# Altium PCB BF16_2.PcbDoc (part 1 of 2) (continued)
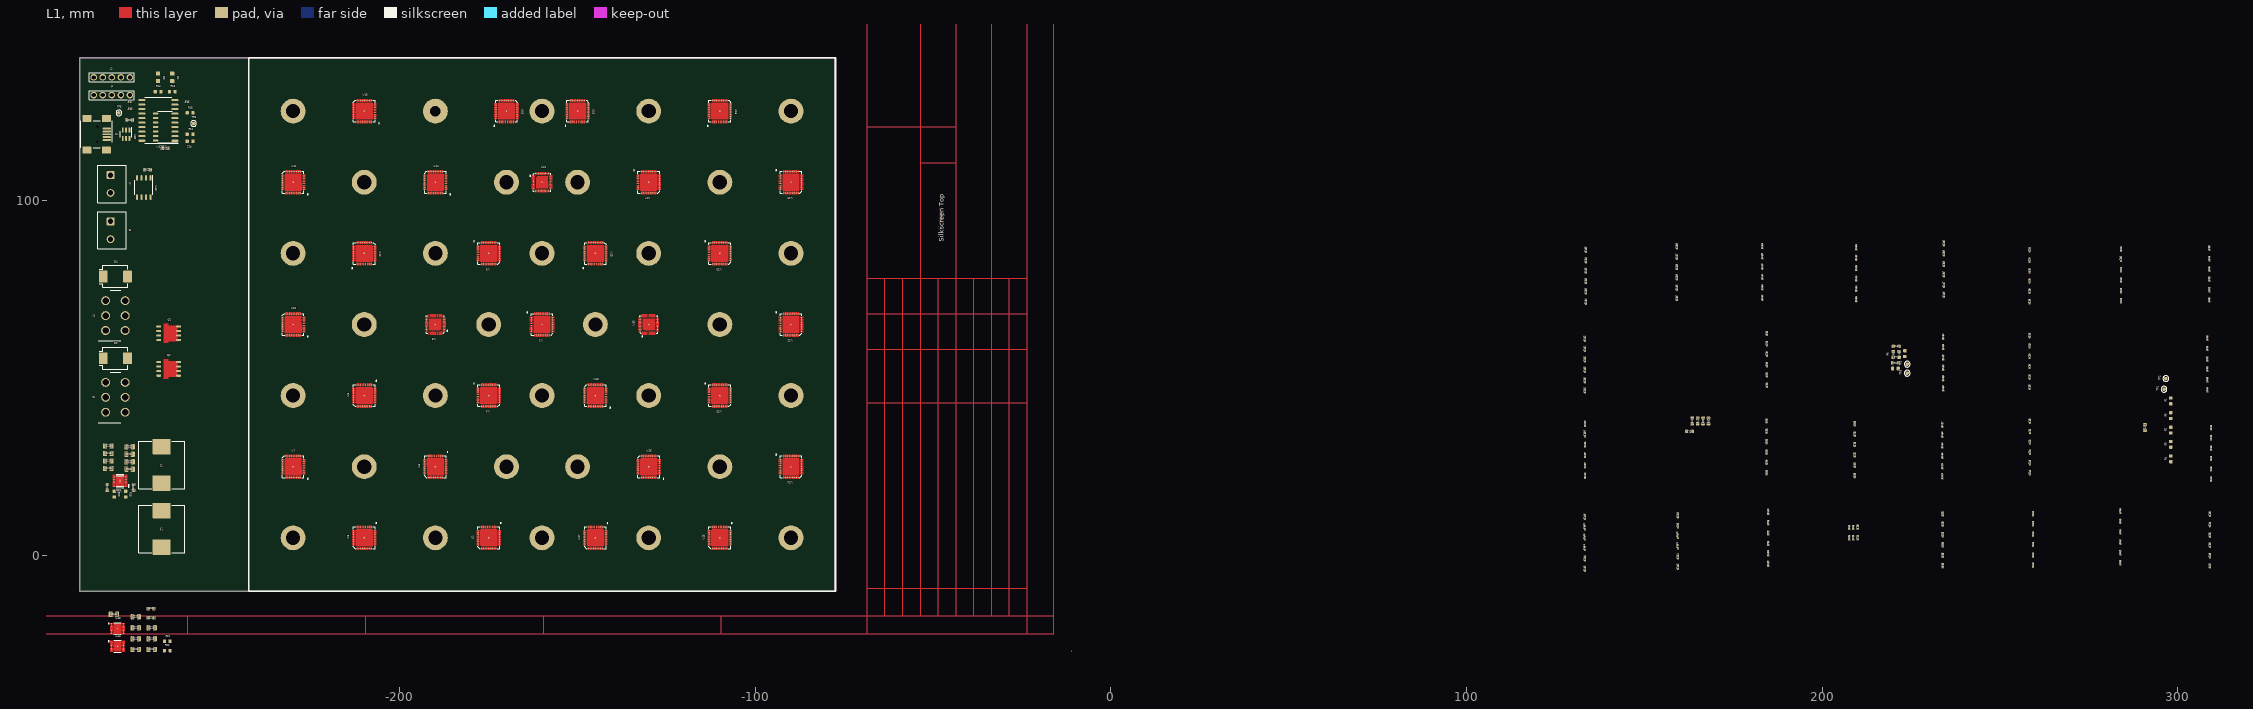
[diagram p0: L1 view]
## Components (designator, comment, footprint, x,y, rotation, side; value= is the part's Value field where it differs from the comment)
C1 "C" SMD_0402_CAPC1005X70N 258.47,34.91 r90 top
C2 "C" SMD_0402_CAPC1005X70N 258.47,31.94 r90 top
C3 "C" SMD_0402_CAPC1005X70N 258.47,29.08 r90 top
C4 "C" SMD_0402_CAPC1005X70N 258.36,59 r90 top
C5 "C" SMD_0402_CAPC1005X70N 258.36,56.03 r90 top
C6 "C" SMD_0402_CAPC1005X70N 258.36,53.17 r90 top
C7 "C" SMD_0402_CAPC1005X70N 258.36,83.09 r90 top
C8 "C" SMD_0402_CAPC1005X70N 258.36,80.12 r90 top
C9 "C" SMD_0402_CAPC1005X70N 258.36,77.26 r90 top
C10 "C" SMD_0402_CAPC1005X70N 284.1,83.31 r90 top
C11 "C" SMD_0402_CAPC1005X70N 284.1,80.34 r90 top
C12 "C" SMD_0402_CAPC1005X70N 284.1,77.48 r90 top
C13 "C" SMD_0402_CAPC1005X70N 258.47,26.11 r90 top
C14 "C" SMD_0402_CAPC1005X70N 258.47,23.25 r90 top
C15 "C" SMD_0402_CAPC1005X70N 258.47,37.77 r90 top
C16 "C" SMD_0402_CAPC1005X70N 258.36,50.2 r90 top
C17 "C" SMD_0402_CAPC1005X70N 258.36,47.34 r90 top
C18 "C" SMD_0402_CAPC1005X70N 258.36,61.86 r90 top
C19 "C" SMD_0402_CAPC1005X70N 258.36,74.29 r90 top
C20 "C" SMD_0402_CAPC1005X70N 258.36,71.43 r90 top
C21 "C" SMD_0402_CAPC1005X70N 258.36,85.95 r90 top
C22 "C" SMD_0402_CAPC1005X70N 284.1,74.51 r90 top
C23 "C" SMD_0402_CAPC1005X70N 284.1,71.65 r90 top
C24 "C" SMD_0402_CAPC1005X70N 284.1,86.17 r90 top
C25 "C" SMD_0402_CAPC1005X70N 308.96,83.53 r90 top
C26 "C" SMD_0402_CAPC1005X70N 308.96,80.56 r90 top
C27 "C" SMD_0402_CAPC1005X70N 308.96,77.7 r90 top
C28 "C" SMD_0402_CAPC1005X70N 308.41,58.23 r90 top
C29 "C" SMD_0402_CAPC1005X70N 308.41,55.26 r90 top
C30 "C" SMD_0402_CAPC1005X70N 308.41,52.4 r90 top
C31 "C" SMD_0402_CAPC1005X70N 309.4,33.15 r90 top
C32 "C" SMD_0402_CAPC1005X70N 309.4,30.18 r90 top
C33 "C" SMD_0402_CAPC1005X70N 309.4,27.32 r90 top
C34 "C" SMD_0402_CAPC1005X70N 309.07,8.73 r90 top
C35 "C" SMD_0402_CAPC1005X70N 309.07,5.76 r90 top
C36 "C" SMD_0402_CAPC1005X70N 309.07,2.9 r90 top
C37 "C" SMD_0402_CAPC1005X70N 308.96,74.73 r90 top
C38 "C" SMD_0402_CAPC1005X70N 308.96,71.87 r90 top
C39 "C" SMD_0402_CAPC1005X70N 308.96,86.39 r90 top
C40 "C" SMD_0402_CAPC1005X70N 308.41,49.43 r90 top
C41 "C" SMD_0402_CAPC1005X70N 308.41,46.57 r90 top
C42 "C" SMD_0402_CAPC1005X70N 308.41,61.09 r90 top
C43 "C" SMD_0402_CAPC1005X70N 309.4,24.35 r90 top
C44 "C" SMD_0402_CAPC1005X70N 309.4,21.49 r90 top
C45 "C" SMD_0402_CAPC1005X70N 309.4,36.01 r90 top
C46 "C" SMD_0402_CAPC1005X70N 309.07,-0.07 r90 top
C47 "C" SMD_0402_CAPC1005X70N 309.07,-2.93 r90 top
C48 "C" SMD_0402_CAPC1005X70N 309.07,11.59 r90 top
C49 "C" SMD_0603_CAPC1608X95N 290.81,36.01 r90 top
C50 "C" SMD_0402_CAPC1005X70N 283.88,9.61 r90 top
C51 "C" SMD_0402_CAPC1005X70N 283.88,6.64 r90 top
C52 "C" SMD_0402_CAPC1005X70N 283.88,3.78 r90 top
C53 "C" SMD_0402_CAPC1005X70N 259.35,8.95 r90 top
C54 "C" SMD_0402_CAPC1005X70N 259.35,5.98 r90 top
C55 "C" SMD_0402_CAPC1005X70N 259.35,3.12 r90 top
C56 "C" SMD_0402_CAPC1005X70N 233.94,8.84 r90 top
C57 "C" SMD_0402_CAPC1005X70N 233.94,5.87 r90 top
C58 "C" SMD_0402_CAPC1005X70N 233.94,3.01 r90 top
C59 "C" SMD_0402_CAPC1005X70N 283.88,0.81 r90 top
C60 "C" SMD_0402_CAPC1005X70N 283.88,-2.05 r90 top
C61 "C" SMD_0402_CAPC1005X70N 283.88,12.47 r90 top
C62 "C" SMD_0402_CAPC1005X70N 259.35,0.15 r90 top
C63 "C" SMD_0402_CAPC1005X70N 259.35,-2.71 r90 top
C64 "C" SMD_0402_CAPC1005X70N 259.35,11.81 r90 top
C65 "C" SMD_0402_CAPC1005X70N 233.94,0.04 r90 top
C66 "C" SMD_0402_CAPC1005X70N 233.94,-2.82 r90 top
C67 "C" SMD_0402_CAPC1005X70N 233.94,11.7 r90 top
C68 "C" SMD_0603_CAPC1608X95N 168.05,37.88 r270 top
C69 "C" SMD_0603_CAPC1608X95N 166.51,37.88 r270 top
C70 "C" SMD_0603_CAPC1608X95N 164.97,37.88 r270 top
C71 "C" SMD_0603_CAPC1608X95N 163.43,37.88 r270 top
C72 "C" SMD_0402_CAPC1005X70N 208.75,5 r90 top
C73 "C" SMD_0402_CAPC1005X70N 210,7.95 r90 top
C74 "C" SMD_0402_CAPC1005X70N 210,5 r90 top
C75 "C" SMD_0402_CAPC1005X70N 209.2,34.15 r90 top
C76 "C" SMD_0402_CAPC1005X70N 209.2,31.25 r90 top
C77 "C" SMD_0402_CAPC1005X70N 209.2,28.3 r90 top
C78 "C" SMD_0402_CAPC1005X70N 184.5,59.55 r90 top
C79 "C" SMD_0402_CAPC1005X70N 184.5,56.65 r90 top
C80 "C" SMD_0402_CAPC1005X70N 184.5,53.7 r90 top
C81 "C" SMD_0402_CAPC1005X70N 184.4,34.95 r90 top
C82 "C" SMD_0402_CAPC1005X70N 184.4,32.05 r90 top
C83 "C" SMD_0402_CAPC1005X70N 184.4,29.1 r90 top
C84 "C" SMD_0402_CAPC1005X70N 207.65,7.9 r90 top
C85 "C" SMD_0402_CAPC1005X70N 207.65,5 r90 top
C86 "C" SMD_0402_CAPC1005X70N 208.75,7.9 r90 top
C87 "C" SMD_0402_CAPC1005X70N 209.2,25.4 r90 top
C88 "C" SMD_0402_CAPC1005X70N 209.2,22.5 r90 top
C89 "C" SMD_0402_CAPC1005X70N 209.2,37.05 r90 top
C90 "C" SMD_0402_CAPC1005X70N 184.5,50.8 r90 top
C91 "C" SMD_0402_CAPC1005X70N 184.5,47.9 r90 top
C92 "C" SMD_0402_CAPC1005X70N 184.5,62.45 r90 top
C93 "C" SMD_0402_CAPC1005X70N 184.4,26.2 r90 top
C94 "C" SMD_0402_CAPC1005X70N 184.4,23.3 r90 top
C95 "C" SMD_0402_CAPC1005X70N 184.4,37.85 r90 top
C96 "C" SMD_0402_CAPC1005X70N 184.85,9.25 r90 top
C97 "C" SMD_0402_CAPC1005X70N 184.85,6.35 r90 top
C98 "C" SMD_0402_CAPC1005X70N 184.85,3.4 r90 top
C99 "C" SMD_0402_CAPC1005X70N 159.45,8.35 r90 top
C100 "C" SMD_0402_CAPC1005X70N 159.45,5.45 r90 top
C101 "C" SMD_0402_CAPC1005X70N 159.45,2.5 r90 top
C102 "C" SMD_0402_CAPC1005X70N 133.3,7.85 r90 top
C103 "C" SMD_0402_CAPC1005X70N 133.3,4.95 r90 top
C104 "C" SMD_0402_CAPC1005X70N 133.3,2 r90 top
C105 "C" SMD_0402_CAPC1005X70N 133.35,34 r90 top
C106 "C" SMD_0402_CAPC1005X70N 133.35,31.1 r90 top
C107 "C" SMD_0402_CAPC1005X70N 133.35,28.15 r90 top
C108 "C" SMD_0402_CAPC1005X70N 184.85,0.5 r90 top
C109 "C" SMD_0402_CAPC1005X70N 184.85,-2.4 r90 top
C110 "C" SMD_0402_CAPC1005X70N 184.85,12.15 r90 top
C111 "C" SMD_0402_CAPC1005X70N 159.45,-0.4 r90 top
C112 "C" SMD_0402_CAPC1005X70N 159.45,-3.3 r90 top
C113 "C" SMD_0402_CAPC1005X70N 159.45,11.25 r90 top
C114 "C" SMD_0402_CAPC1005X70N 133.3,-0.9 r90 top
C115 "C" SMD_0402_CAPC1005X70N 133.3,-3.8 r90 top
C116 "C" SMD_0402_CAPC1005X70N 133.3,10.75 r90 top
C117 "C" SMD_0402_CAPC1005X70N 133.35,25.25 r90 top
C118 "C" SMD_0402_CAPC1005X70N 133.35,22.35 r90 top
C119 "C" SMD_0402_CAPC1005X70N 133.35,36.9 r90 top
C120 "C" SMD_0603_CAPC1608X95N 162.66,34.91 r180 top
C121 "C" SMD_0402_CAPC1005X70N 133.3,57.95 r90 top
C122 "C" SMD_0402_CAPC1005X70N 133.3,55.05 r90 top
C123 "C" SMD_0402_CAPC1005X70N 133.3,52.1 r90 top
C124 "C" SMD_0402_CAPC1005X70N 133.6,82.95 r90 top
C125 "C" SMD_0402_CAPC1005X70N 133.6,80.05 r90 top
C126 "C" SMD_0402_CAPC1005X70N 133.6,77.1 r90 top
C127 "C" SMD_0402_CAPC1005X70N 159.2,83.95 r90 top
C128 "C" SMD_0402_CAPC1005X70N 159.2,81.05 r90 top
C129 "C" SMD_0402_CAPC1005X70N 159.2,78.1 r90 top
C130 "C" SMD_0402_CAPC1005X70N 133.3,49.2 r90 top
C131 "C" SMD_0402_CAPC1005X70N 133.3,46.3 r90 top
C132 "C" SMD_0402_CAPC1005X70N 133.3,60.85 r90 top
C133 "C" SMD_0402_CAPC1005X70N 133.6,74.2 r90 top
C134 "C" SMD_0402_CAPC1005X70N 133.6,71.3 r90 top
C135 "C" SMD_0402_CAPC1005X70N 133.6,85.85 r90 top
C136 "C" SMD_0402_CAPC1005X70N 159.2,75.2 r90 top
C137 "C" SMD_0402_CAPC1005X70N 159.2,72.3 r90 top
C138 "C" SMD_0402_CAPC1005X70N 159.2,86.85 r90 top
C139 "C" SMD_0402_CAPC1005X70N 183.2,84.05 r90 top
C140 "C" SMD_0402_CAPC1005X70N 183.2,81.15 r90 top
C141 "C" SMD_0402_CAPC1005X70N 183.2,78.2 r90 top
C142 "C" SMD_0402_CAPC1005X70N 209.6,83.65 r90 top
C143 "C" SMD_0402_CAPC1005X70N 209.6,80.75 r90 top
C144 "C" SMD_0402_CAPC1005X70N 209.6,77.8 r90 top
C145 "C" SMD_0402_CAPC1005X70N 234.27,87.71 r90 top
C146 "C" SMD_0402_CAPC1005X70N 234.27,73.19 r90 top
C147 "C" SMD_0402_CAPC1005X70N 234.27,76.05 r90 top
C148 "C" SMD_0402_CAPC1005X70N 234.05,58.56 r90 top
C149 "C" SMD_0402_CAPC1005X70N 234.05,55.59 r90 top
C150 "C" SMD_0402_CAPC1005X70N 234.05,52.73 r90 top
C151 "C" SMD_0402_CAPC1005X70N 183.2,75.3 r90 top
C152 "C" SMD_0402_CAPC1005X70N 183.2,72.4 r90 top
C153 "C" SMD_0402_CAPC1005X70N 183.2,86.95 r90 top
C154 "C" SMD_0402_CAPC1005X70N 209.6,74.9 r90 top
C155 "C" SMD_0402_CAPC1005X70N 209.6,72 r90 top
C156 "C" SMD_0402_CAPC1005X70N 209.6,86.55 r90 top
C157 "C" SMD_0402_CAPC1005X70N 234.27,79.02 r90 top
C158 "C" SMD_0402_CAPC1005X70N 234.27,81.88 r90 top
C159 "C" SMD_0402_CAPC1005X70N 234.27,84.85 r90 top
C160 "C" SMD_0402_CAPC1005X70N 234.05,49.76 r90 top
C161 "C" SMD_0402_CAPC1005X70N 234.05,46.9 r90 top
C162 "C" SMD_0402_CAPC1005X70N 234.05,61.42 r90 top
C163 "C" SMD_0402_CAPC1005X70N 233.83,33.81 r90 top
C164 "C" SMD_0402_CAPC1005X70N 233.83,30.84 r90 top
C165 "C" SMD_0402_CAPC1005X70N 233.83,27.98 r90 top
C175 "C" SMD_0402_CAPC1005X70N 233.83,25.01 r90 top
C176 "C" SMD_0402_CAPC1005X70N 233.83,22.15 r90 top
C177 "C" SMD_0402_CAPC1005X70N 233.83,36.67 r90 top
C187 "C" SMD_0603_CAPC1608X95N 220.85,58.89 r0 top
C206 "C" SMD_0603_CAPC1608X95N -271,108.5 r180 top
C207 "C" SMD_0603_CAPC1608X80N -276,122.5 r180 top
C208 "C" SMD_0603_CAPC1608X95N -266,114.5 r180 top
C209 "C" SMD_0603_CAPC1608X95N -274.9,19.2 r90 top
C210 "C" SMD_0603_CAPC1608X95N -282.3,19.2 r90 top
C211 "C" SMD_0805_CAPC2012X145N -276,28.5 r180 top
C212 "C" SMD_0805_CAPC2012X145N -276,24.3 r180 top
C213 "C" SMD_0805_CAPC2012X145N -276,26.4 r180 top
C214 "C" SMD_0805_CAPC2012X145N -276,30.6 r180 top
C215 "C" SMD_0805_CAPC2012X145N -282,30.8 r0 top
C216 "C" SMD_0805_CAPC2012X145N -282,24.5 r0 top
C217 "C" SMD_0805_CAPC2012X145N -282,26.6 r0 top
C218 "C" SMD_0805_CAPC2012X145N -282,28.7 r0 top
C219 "C" SMD_0603_CAPC1608X95N -270,-17.5 r0 top
C220 "C" SMD_0603_CAPC1608X95N -270,-14.9 r0 top
C221 "C" SMD_0805_CAPC2012X145N -274.3,-20.3 r0 top
C222 "C" SMD_0805_CAPC2012X145N -274.3,-23.4 r0 top
C223 "C" SMD_0805_CAPC2012X145N -269.8,-26.4 r0 top
C224 "C" SMD_0805_CAPC2012X145N -280.4,-16.5 r0 top
C225 "C" SMD_0805_CAPC2012X145N -269.8,-23.4 r0 top
C226 "C" SMD_0805_CAPC2012X145N -274.3,-26.4 r0 top
C227 "C" SMD_0805_CAPC2012X145N -274.3,-17.2 r0 top
C228 "C" SMD_0805_CAPC2012X145N -269.8,-20.3 r0 top
D1 "LED" SMD_LED2012X100N -264,134.5 r270 top
D2 "D_TVS_UNI" SMD_DO214AC_SMC -280,55.5 r0 top
D3 "LED" SMD_LED2012X100N -268,134.5 r270 top
D4 "D_TVS_UNI" SMD_DO214AC_SMC -280,78.5 r0 top
J1 "CON_5PINS" PTH_HDRV05W64P254_1X05 -281,129.5 r0 top
J2 "CON_5PINS" PTH_HDRV05W64P254_1X05 -281,134.5 r0 top
J3 "CON_USB_MINI_1" SMD_CON-CVILUX-CU04-SCM15B0 -285,118.5 r270 top
J4 "CON_2ROWS_6PINS_1" PTH_CON_WR-MRC4-6P_S -280,67.5 r90 top
J5 "CON_2ROWS_6PINS_1" PTH_CON_WR-MRC4-6P_S -280,44.5 r90 top
J6 "CON_2PINS" PTH_HDRV02W11060P500_1X02 -281,91.5 r270 top
J7 "CON_2PINS" PTH_HDRV02W11060P500_1X02 -281,104.5 r270 top
L1 "470nH" SMT_INDM135130X800N -267,25.5 r270 top
L2 "470nH" SMT_INDM135130X800N -267,7.5 r270 top
Q1 "MOS_N_D1_S1S2S3G4D5D6D7D8" SMD_SOIC127P600X110-9AN -265,62.5 r0 top
Q2 "MOS_N_D1_S1S2S3G4D5D6D7D8" SMD_SOIC127P600X110-9AN -265,52.5 r0 top
R1 "R" SMD_0603_RESC1608X55N 298.07,43.49 r90 top
R2 "R" SMD_0603_RESC1608X55N 298.07,35.29 r90 top
R3 "R" SMD_0603_RESC1608X55N 298.07,31.29 r90 top
R4 "R" SMD_0603_RESC1608X55N 298.07,27.19 r90 top
R5 "R" SMD_0603_RESC1608X55N 298.07,39.39 r90 top
R6 "R" SMD_0603_RESC1608X55N 219.97,56.58 r90 top
R7 "R" SMD_0603_RESC1608X55N 220.63,54.27 r0 top
R8 "R" SMD_0603_RESC1608X55N 223.27,56.8 r90 top
R9 "R" SMD_0603_RESC1608X55N 221.62,56.58 r90 top
R10 "R" SMD_0603_RESC1608X55N 220.63,52.62 r0 top
R11 "R" SMD_0603_RESC1608X55N -259,118.5 r0 top
R12 "R" SMD_0603_RESC1608X55N -259,116.5 r180 top
R13 "R" SMD_0603_RESC1608X55N -264,130.5 r0 top
R14 "R" SMD_0603_RESC1608X55N -268,130.5 r0 top
R15 "R" SMD_0201_RESC0603X26N -260,127.5 r0 top
R16 "R" SMD_0201_RESC0603X26N -276,125.5 r0 top
R17 "R" SMD_0201_RESC0603X26N -276,127.5 r0 top
R18 "R" SMD_0603_RESC1608X55N -259,124.5 r0 top
R19 "R" SMD_0603_RESC1608X55N -277.1,17.3 r270 top
R20 "R" SMD_0603_RESC1608X55N -280.3,17.3 r270 top
R21 "R" SMD_0603_RESC1608X55N -265.4,-24.1 r0 top
R22 "R" SMD_0603_RESC1608X55N -265.4,-26.7 r0 top
TP1 "TEST_POINT_1" SMD_TP_100-254 296.17,46.79 r90 top
TP2 "TEST_POINT_1" SMD_TP_100-254 296.67,49.79 r90 top
TP3 "TEST_POINT_1" SMD_TP_100-254 223.93,51.3 r90 top
TP4 "TEST_POINT_1" SMD_TP_100-254 223.93,53.83 r90 top
TP5 "TEST_POINT_1" SMD_TP_100-254 -279,124.5 r0 top
TP6 "TEST_POINT_1" SMD_TP_100-254 -258,121.5 r0 top
U1 "IC_BITFURY16" SMD_QFN50P600X600X175-36AN -160,65 r180 top
U2 "IC_BITFURY16" SMD_QFN50P600X600X175-36AN -175,5 r90 top
U3 "IC_BITFURY16" SMD_QFN50P600X600X175-36AN -175,85 r180 top
U4 "IC_BITFURY16" SMD_QFN50P600X600X175-36AN -175,45 r180 top
U5 "IC_BITFURY16" SMD_QFN50P600X600X175-36AN -190,25 r90 top
U6 "IC_BITFURY16" SMD_QFN50P600X600X175-36AN -210,5 r90 top
U7 "IC_BITFURY16" SMD_QFN50P600X600X175-36AN -230,25 r0 top
U8 "IC_BITFURY16" SMD_QFN50P600X600X175-36AN -210,45 r90 top
U9 "IC_BTC250" SMD_QFN40P500X500X80-41N -190,65 r180 top
U10 "IC_BITFURY16" SMD_QFN50P600X600X175-36AN -230,65 r0 top
U11 "IC_BITFURY16" SMD_QFN50P600X600X175-36AN -230,105 r0 top
U12 "IC_BITFURY16" SMD_QFN50P600X600X175-36AN -210,85 r270 top
U13 "IC_BITFURY16" SMD_QFN50P600X600X175-36AN -210,125 r0 top
U14 "IC_BITFURY16" SMD_QFN50P600X600X175-36AN -190,105 r0 top
U15 "IC_BITFURY16" SMD_QFN50P600X600X175-36AN -170,125 r270 top
U16 "IC_BITFURY16" SMD_QFN50P600X600X175-36AN -150,125 r270 top
U17 "IC_BITFURY16" SMD_QFN50P600X600X175-36AN -130,105 r180 top
U18 "IC_BITFURY16" SMD_QFN50P600X600X175-36AN -110,125 r270 top
U19 "IC_BITFURY16" SMD_QFN50P600X600X175-36AN -90,105 r180 top
U20 "IC_BITFURY16" SMD_QFN50P600X600X175-36AN -110,85 r180 top
U21 "IC_BTC250" SMD_QFN40P500X500X80-41N -160,105 r0 top
U22 "IC_BITFURY16" SMD_QFN50P600X600X175-36AN -90,65 r180 top
U23 "IC_BITFURY16" SMD_QFN50P600X600X175-36AN -110,45 r180 top
U24 "IC_BITFURY16" SMD_QFN50P600X600X175-36AN -90,25 r180 top
U25 "IC_BITFURY16" SMD_QFN50P600X600X175-36AN -110,5 r90 top
U26 "IC_BITFURY16" SMD_QFN50P600X600X175-36AN -130,25 r0 top
U27 "IC_BITFURY16" SMD_QFN50P600X600X175-36AN -145,5 r90 top
U28 "IC_BITFURY16" SMD_QFN50P600X600X175-36AN -145,45 r0 top
U29 "IC_BITFURY16" SMD_QFN50P600X600X175-36AN -145,85 r270 top
U33 "IC_BTC250" SMD_QFN40P500X500X80-41N -130,65 r90 top
U37 "IC_PIC16F1459" SMD_SOIC127P1030X265-20N -267.9,122.4 r180 top
U38 "IC_PIC16F1454TESL-SO14" SMD_SOIC127P600X175-14N -266,120.5 r180 top
U39 "D_TVS_QUAD_C1A2C3C4A5C6" SMD_SOT457_SOT95P275X110-6N -277,118.5 r270 top
U40 "IC_LM2931AD-5.0R2G_SO-8" SMD_SOIC127P600X175-8N -272,103.5 r270 top
U41 "CSD95379Q3M" SMD_SON40P330X330X100-17N -278.7,21.2 r180 top
U42 "CSD95379Q3M" SMD_SON40P330X330X100-17N -278.7,20.8 r180 top
U43 "CSD95379Q3M" SMD_SON40P330X330X100-17N -279.4,-20.5 r0 top
U44 "CSD95379Q3M" SMD_SON40P330X330X100-17N -279.4,-25.5 r0 top

## Footprints (in the part's own frame and the unit in brackets; to place one, negate y for a bottom-side part, rotate by r counter-clockwise, add the part's x,y. Pads: shape width x height; smd on the part's side, far side on the other; paste and mask are expansions set on the pad)
PTH_CON_WR-MRC4-6P_S [mm]
  round 2.5 hole 1.8 mask+0.075: 1(-4.2,2.75) 2(0,2.75) 3(4.2,2.75) 4(-4.2,-2.75) 5(0,-2.75) 6(4.2,-2.75)
  silkscreen extent -7.1,-1.5 7.1,4.85, body extent -7.25,-6.3 6.95,4.8, height 12.8
PTH_HDRV02W11060P500_1X02 [mm]
  rrect18% 2.2x2.2 / inner round 2.2 / far side rrect18% 2.2x2.2 hole 1.5 mask+0.075: 1(-2.5,-0.35)
  round 2.2 hole 1.5 mask+0.075: 2(2.5,-0.35)
  silkscreen extent -5.25,-4 5.25,4, body extent -5.25,-4 5.25,4, height 11
PTH_HDRV05W64P254_1X05 [mm]
  round 1.85 hole 1.15 mask+0.075: 1(-5.08,0) 2(-2.54,0) 3(0,0) 4(2.54,0) 5(5.08,0)
  silkscreen extent -6.35,-1.25 6.35,1.25, body extent -6.35,-1.25 6.35,1.25, height 8
SMD_0201_RESC0603X26N [mm]
  rrect48% 0.44x0.42 smd mask+0.075: 1(-0.34,0) 2(0.34,0)
  body extent -0.3,-0.15 0.3,0.15, height 0.26
SMD_0402_CAPC1005X70N [mm]
  rrect48% 0.62x0.62 smd mask+0.075: 1(-0.45,0) 2(0.45,0)
  body extent -0.5,-0.25 0.5,0.25, height 0.7
SMD_0603_CAPC1608X80N [mm]
  rrect42% 0.95x1 smd mask+0.075: 1(-0.8,0) 2(0.8,0)
  body extent -0.8,-0.4 0.8,0.4, height 0.8
SMD_0603_CAPC1608X95N [mm]
  rrect42% 0.95x1 smd mask+0.075: 1(-0.8,0) 2(0.8,0)
  body extent -0.8,-0.4 0.8,0.4, height 0.95
SMD_0603_RESC1608X55N [mm]
  rrect44% 0.9x1 smd mask+0.075: 1(-0.8,0) 2(0.8,0)
  body extent -0.8,-0.4 0.8,0.4, height 0.55
SMD_0805_CAPC2012X145N [mm]
  rrect35% 1.15x1.45 smd mask+0.075: 1(-0.9,0) 2(0.9,0)
  body extent -1,-0.6 1,0.6, height 1.45
SMD_CON-CVILUX-CU04-SCM15B0 [mm]
  rrect80% 0.5x2.3 smd mask+0.075: 1(-1.6,2.6) 2(-0.8,2.6) 3(0,2.6) 4(0.8,2.6) 5(1.6,2.6)
  rrect20% 2x2.5 smd mask+0.075: 6(4.45,2.5) 7(4.45,-3) 8(-4.45,-3) 9(-4.45,2.5)
  round 0.5 hole 0.9 unplated mask+0.275: 10(-2.2,0) 11(2.2,0)
  silkscreen extent -3.85,-4.7 3.85,4.15, body extent -4.95,-5.9 4.95,3.1, height 3.95
SMD_DO214AC_SMC [mm]
  rrect16% 2.5x3.3 smd mask+0.075: 1(-3.4,0) 2(3.4,0)
  silkscreen extent -4.5,-3.1 3.55,3.1, body extent -4.06,-3.11 4.07,3.11, height 2.62
SMD_LED2012X100N [mm]
  rrect33% 1.2x1.2 smd mask+0.075: 1(-1.05,0) 2(1.05,0)
  body extent -1,-0.62 1,0.63, height 0.98
SMD_QFN40P500X500X80-41N [mm]
  round 0.2 smd: 1(-2.45,1.8) 2(-2.45,1.4) 3(-2.45,1) 4(-2.45,0.6) 5(-2.45,0.2) 6(-2.45,-0.2) 7(-2.45,-0.6) 8(-2.45,-1) 9(-2.45,-1.4) 10(-2.45,-1.8) 11(-1.8,-2.45) 12(-1.4,-2.45) 13(-1,-2.45) 14(-0.6,-2.45) 15(-0.2,-2.45) 16(0.2,-2.45) 17(0.6,-2.45) 18(1,-2.45) 19(1.4,-2.45) 20(1.8,-2.45) 21(2.45,-1.8) 22(2.45,-1.4) 23(2.45,-1) 24(2.45,-0.6) 25(2.45,-0.2) 26(2.45,0.2) 27(2.45,0.6) 28(2.45,1) 29(2.45,1.4) 30(2.45,1.8) 31(1.8,2.45) 32(1.4,2.45) 33(1,2.45) 34(0.6,2.45) 35(0.2,2.45) 36(-0.2,2.45) 37(-0.6,2.45) 38(-1,2.45) 39(-1.4,2.45) 40(-1.8,2.45)
  rect 0.35x0.35 smd: 41(0,0)
  L1 region: -1.675,1.325 -1.325,1.675 1.475,1.679 1.553,1.663 1.619,1.619 1.663,1.553 1.679,1.475 1.675,1.475 1.679,-1.475 1.663,-1.553 1.619,-1.619 1.553,-1.663 1.475,-1.679 1.475,-1.675 -1.475,-1.679 -1.553,-1.663 -1.619,-1.619 -1.663,-1.553 -1.679,-1.475 -1.675,-1.475 -1.675,1.325
  L1 region: -1.7,2.875 -1.692,2.125 -1.723,2.048 -1.8,2.017 -1.877,2.048 -1.908,2.125 -1.9,2.125 -1.9,2.875 -1.7,2.875
  L1 region: -1.3,2.875 -1.292,2.125 -1.323,2.048 -1.4,2.017 -1.477,2.048 -1.508,2.125 -1.5,2.125 -1.5,2.875 -1.3,2.875
  L1 region: -0.9,2.875 -0.892,2.125 -0.923,2.048 -1,2.017 -1.077,2.048 -1.108,2.125 -1.1,2.125 -1.1,2.875 -0.9,2.875
  L1 region: -0.5,2.875 -0.492,2.125 -0.523,2.048 -0.6,2.017 -0.677,2.048 -0.708,2.125 -0.7,2.125 -0.7,2.875 -0.5,2.875
  L1 region: -0.1,2.875 -0.092,2.125 -0.123,2.048 -0.2,2.017 -0.277,2.048 -0.308,2.125 -0.3,2.125 -0.3,2.875 -0.1,2.875
  L1 region: 0.3,2.875 0.308,2.125 0.277,2.048 0.2,2.017 0.123,2.048 0.092,2.125 0.1,2.125 0.1,2.875 0.3,2.875
  L1 region: 0.7,2.875 0.708,2.125 0.677,2.048 0.6,2.017 0.523,2.048 0.492,2.125 0.5,2.125 0.5,2.875 0.7,2.875
  L1 region: 1.1,2.875 1.108,2.125 1.077,2.048 1,2.017 0.923,2.048 0.892,2.125 0.9,2.125 0.9,2.875 1.1,2.875
  L1 region: 1.5,2.875 1.508,2.125 1.477,2.048 1.4,2.017 1.323,2.048 1.292,2.125 1.3,2.125 1.3,2.875 1.5,2.875
  L1 region: 1.9,2.875 1.908,2.125 1.877,2.048 1.8,2.017 1.723,2.048 1.692,2.125 1.7,2.125 1.7,2.875 1.9,2.875
  L1 region: 2.875,1.7 2.125,1.692 2.048,1.723 2.017,1.8 2.048,1.877 2.125,1.908 2.125,1.9 2.875,1.9 2.875,1.7
  L1 region: 2.875,1.3 2.125,1.292 2.048,1.323 2.017,1.4 2.048,1.477 2.125,1.508 2.125,1.5 2.875,1.5 2.875,1.3
  L1 region: 2.875,0.9 2.125,0.892 2.048,0.923 2.017,1 2.048,1.077 2.125,1.108 2.125,1.1 2.875,1.1 2.875,0.9
  L1 region: 2.875,0.5 2.125,0.492 2.048,0.523 2.017,0.6 2.048,0.677 2.125,0.708 2.125,0.7 2.875,0.7 2.875,0.5
  L1 region: 2.875,0.1 2.125,0.092 2.048,0.123 2.017,0.2 2.048,0.277 2.125,0.308 2.125,0.3 2.875,0.3 2.875,0.1
  L1 region: 2.875,-0.3 2.125,-0.308 2.048,-0.277 2.017,-0.2 2.048,-0.123 2.125,-0.092 2.125,-0.1 2.875,-0.1 2.875,-0.3
  L1 region: 2.875,-0.7 2.125,-0.708 2.048,-0.677 2.017,-0.6 2.048,-0.523 2.125,-0.492 2.125,-0.5 2.875,-0.5 2.875,-0.7
  L1 region: 2.875,-1.1 2.125,-1.108 2.048,-1.077 2.017,-1 2.048,-0.923 2.125,-0.892 2.125,-0.9 2.875,-0.9 2.875,-1.1
  L1 region: 2.875,-1.5 2.125,-1.508 2.048,-1.477 2.017,-1.4 2.048,-1.323 2.125,-1.292 2.125,-1.3 2.875,-1.3 2.875,-1.5
  L1 region: 2.875,-1.9 2.125,-1.908 2.048,-1.877 2.017,-1.8 2.048,-1.723 2.125,-1.692 2.125,-1.7 2.875,-1.7 2.875,-1.9
  L1 region: 1.7,-2.875 1.692,-2.125 1.723,-2.048 1.8,-2.017 1.877,-2.048 1.908,-2.125 1.9,-2.125 1.9,-2.875 1.7,-2.875
  L1 region: 1.3,-2.875 1.292,-2.125 1.323,-2.048 1.4,-2.017 1.477,-2.048 1.508,-2.125 1.5,-2.125 1.5,-2.875 1.3,-2.875
  L1 region: 0.9,-2.875 0.892,-2.125 0.923,-2.048 1,-2.017 1.077,-2.048 1.108,-2.125 1.1,-2.125 1.1,-2.875 0.9,-2.875
  L1 region: 0.5,-2.875 0.492,-2.125 0.523,-2.048 0.6,-2.017 0.677,-2.048 0.708,-2.125 0.7,-2.125 0.7,-2.875 0.5,-2.875
  L1 region: 0.1,-2.875 0.092,-2.125 0.123,-2.048 0.2,-2.017 0.277,-2.048 0.308,-2.125 0.3,-2.125 0.3,-2.875 0.1,-2.875
  L1 region: -0.3,-2.875 -0.308,-2.125 -0.277,-2.048 -0.2,-2.017 -0.123,-2.048 -0.092,-2.125 -0.1,-2.125 -0.1,-2.875 -0.3,-2.875
  L1 region: -0.7,-2.875 -0.708,-2.125 -0.677,-2.048 -0.6,-2.017 -0.523,-2.048 -0.492,-2.125 -0.5,-2.125 -0.5,-2.875 -0.7,-2.875
  L1 region: -1.1,-2.875 -1.108,-2.125 -1.077,-2.048 -1,-2.017 -0.923,-2.048 -0.892,-2.125 -0.9,-2.125 -0.9,-2.875 -1.1,-2.875
  L1 region: -1.5,-2.875 -1.508,-2.125 -1.477,-2.048 -1.4,-2.017 -1.323,-2.048 -1.292,-2.125 -1.3,-2.125 -1.3,-2.875 -1.5,-2.875
  L1 region: -1.9,-2.875 -1.908,-2.125 -1.877,-2.048 -1.8,-2.017 -1.723,-2.048 -1.692,-2.125 -1.7,-2.125 -1.7,-2.875 -1.9,-2.875
  L1 region: -2.875,-1.7 -2.125,-1.692 -2.048,-1.723 -2.017,-1.8 -2.048,-1.877 -2.125,-1.908 -2.125,-1.9 -2.875,-1.9 -2.875,-1.7
  L1 region: -2.875,-1.3 -2.125,-1.292 -2.048,-1.323 -2.017,-1.4 -2.048,-1.477 -2.125,-1.508 -2.125,-1.5 -2.875,-1.5 -2.875,-1.3
  L1 region: -2.875,-0.9 -2.125,-0.892 -2.048,-0.923 -2.017,-1 -2.048,-1.077 -2.125,-1.108 -2.125,-1.1 -2.875,-1.1 -2.875,-0.9
  L1 region: -2.875,-0.5 -2.125,-0.492 -2.048,-0.523 -2.017,-0.6 -2.048,-0.677 -2.125,-0.708 -2.125,-0.7 -2.875,-0.7 -2.875,-0.5
  L1 region: -2.875,-0.1 -2.125,-0.092 -2.048,-0.123 -2.017,-0.2 -2.048,-0.277 -2.125,-0.308 -2.125,-0.3 -2.875,-0.3 -2.875,-0.1
  L1 region: -2.875,0.3 -2.125,0.308 -2.048,0.277 -2.017,0.2 -2.048,0.123 -2.125,0.092 -2.125,0.1 -2.875,0.1 -2.875,0.3
  L1 region: -2.875,0.7 -2.125,0.708 -2.048,0.677 -2.017,0.6 -2.048,0.523 -2.125,0.492 -2.125,0.5 -2.875,0.5 -2.875,0.7
  L1 region: -2.875,1.1 -2.125,1.108 -2.048,1.077 -2.017,1 -2.048,0.923 -2.125,0.892 -2.125,0.9 -2.875,0.9 -2.875,1.1
  L1 region: -2.875,1.5 -2.125,1.508 -2.048,1.477 -2.017,1.4 -2.048,1.323 -2.125,1.292 -2.125,1.3 -2.875,1.3 -2.875,1.5
  L1 region: -2.875,1.9 -2.125,1.908 -2.048,1.877 -2.017,1.8 -2.048,1.723 -2.125,1.692 -2.125,1.7 -2.875,1.7 -2.875,1.9
  silkscreen extent -3.48,-2.5 2.5,2.5
SMD_QFN50P600X600X175-36AN [mm]
  round 0.3 smd mask-0.15: 1(-3,2) 2(-3,1.5) 3(-3,1) 4(-3,0.5) 5(-3,0) 6(-3,-0.5) 7(-3,-1) 8(-3,-1.5) 9(-3,-2) 10(-2,-3) 11(-1.5,-3) 12(-1,-3) 13(-0.5,-3) 14(0,-3) 15(0.5,-3) 16(1,-3) 17(1.5,-3) 18(2,-3) 19(3,-2) 20(3,-1.5) 21(3,-1) 22(3,-0.333) 23(3,0.334) 24(3,1) 25(3,1.5) 26(3,2) 27(2,3) 28(1.5,3) 29(1,3) 30(0.5,3) 31(0,3) 32(-0.5,3) 33(-1,3) 34(-1.5,3) 35(-2,3)
  round 0.4 smd: 36(0,0)
  L1 region: -2.35,2.15 -2.15,2.35 2.15,2.354 2.228,2.338 2.294,2.294 2.338,2.228 2.354,2.15 2.35,2.15 2.354,-2.15 2.338,-2.228 2.294,-2.294 2.228,-2.338 2.15,-2.354 2.15,-2.35 -2.15,-2.354 -2.228,-2.338 -2.294,-2.294 -2.338,-2.228 -2.354,-2.15 -2.35,-2.15 -2.35,2.15
  L1 region: -1.85,3.4 -1.838,2.75 -1.885,2.635 -2,2.588 -2.115,2.635 -2.162,2.75 -2.15,2.75 -2.15,3.4 -1.85,3.4
  L1 region: -1.35,3.4 -1.338,2.75 -1.385,2.635 -1.5,2.588 -1.615,2.635 -1.662,2.75 -1.65,2.75 -1.65,3.4 -1.35,3.4
  L1 region: -0.85,3.4 -0.838,2.75 -0.885,2.635 -1,2.588 -1.115,2.635 -1.162,2.75 -1.15,2.75 -1.15,3.4 -0.85,3.4
  L1 region: -0.35,3.4 -0.338,2.75 -0.385,2.635 -0.5,2.588 -0.615,2.635 -0.662,2.75 -0.65,2.75 -0.65,3.4 -0.35,3.4
  L1 region: 0.15,3.4 0.162,2.75 0.115,2.635 0,2.588 -0.115,2.635 -0.162,2.75 -0.15,2.75 -0.15,3.4 0.15,3.4
  L1 region: 0.65,3.4 0.662,2.75 0.615,2.635 0.5,2.588 0.385,2.635 0.338,2.75 0.35,2.75 0.35,3.4 0.65,3.4
  L1 region: 1.15,3.4 1.162,2.75 1.115,2.635 1,2.588 0.885,2.635 0.838,2.75 0.85,2.75 0.85,3.4 1.15,3.4
  L1 region: 1.65,3.4 1.662,2.75 1.615,2.635 1.5,2.588 1.385,2.635 1.338,2.75 1.35,2.75 1.35,3.4 1.65,3.4
  L1 region: 2.15,3.4 2.162,2.75 2.115,2.635 2,2.588 1.885,2.635 1.838,2.75 1.85,2.75 1.85,3.4 2.15,3.4
  L1 region: 3.4,1.85 2.75,1.838 2.635,1.885 2.588,2 2.635,2.115 2.75,2.162 2.75,2.15 3.4,2.15 3.4,1.85
  L1 region: 3.4,1.35 2.75,1.338 2.635,1.385 2.588,1.5 2.635,1.615 2.75,1.662 2.75,1.65 3.4,1.65 3.4,1.35
  L1 region: 3.4,0.85 2.75,0.838 2.635,0.885 2.588,1 2.635,1.115 2.75,1.162 2.75,1.15 3.4,1.15 3.4,0.85
  L1 region: 3.4,0.184 2.75,0.172 2.635,0.219 2.588,0.334 2.635,0.449 2.75,0.496 2.75,0.484 3.4,0.484 3.4,0.184
  L1 region: 3.4,-0.483 2.75,-0.495 2.635,-0.448 2.588,-0.333 2.635,-0.218 2.75,-0.171 2.75,-0.183 3.4,-0.183 3.4,-0.483
  L1 region: 3.4,-1.15 2.75,-1.162 2.635,-1.115 2.588,-1 2.635,-0.885 2.75,-0.838 2.75,-0.85 3.4,-0.85 3.4,-1.15
  L1 region: 3.4,-1.65 2.75,-1.662 2.635,-1.615 2.588,-1.5 2.635,-1.385 2.75,-1.338 2.75,-1.35 3.4,-1.35 3.4,-1.65
  L1 region: 3.4,-2.15 2.75,-2.162 2.635,-2.115 2.588,-2 2.635,-1.885 2.75,-1.838 2.75,-1.85 3.4,-1.85 3.4,-2.15
  L1 region: 1.85,-3.4 1.838,-2.75 1.885,-2.635 2,-2.588 2.115,-2.635 2.162,-2.75 2.15,-2.75 2.15,-3.4 1.85,-3.4
  L1 region: 1.35,-3.4 1.338,-2.75 1.385,-2.635 1.5,-2.588 1.615,-2.635 1.662,-2.75 1.65,-2.75 1.65,-3.4 1.35,-3.4
  L1 region: 0.85,-3.4 0.838,-2.75 0.885,-2.635 1,-2.588 1.115,-2.635 1.162,-2.75 1.15,-2.75 1.15,-3.4 0.85,-3.4
  L1 region: 0.35,-3.4 0.338,-2.75 0.385,-2.635 0.5,-2.588 0.615,-2.635 0.662,-2.75 0.65,-2.75 0.65,-3.4 0.35,-3.4
  L1 region: -0.15,-3.4 -0.162,-2.75 -0.115,-2.635 0,-2.588 0.115,-2.635 0.162,-2.75 0.15,-2.75 0.15,-3.4 -0.15,-3.4
  L1 region: -0.65,-3.4 -0.662,-2.75 -0.615,-2.635 -0.5,-2.588 -0.385,-2.635 -0.338,-2.75 -0.35,-2.75 -0.35,-3.4 -0.65,-3.4
  L1 region: -1.15,-3.4 -1.162,-2.75 -1.115,-2.635 -1,-2.588 -0.885,-2.635 -0.838,-2.75 -0.85,-2.75 -0.85,-3.4 -1.15,-3.4
  L1 region: -1.65,-3.4 -1.662,-2.75 -1.615,-2.635 -1.5,-2.588 -1.385,-2.635 -1.338,-2.75 -1.35,-2.75 -1.35,-3.4 -1.65,-3.4
  L1 region: -2.15,-3.4 -2.162,-2.75 -2.115,-2.635 -2,-2.588 -1.885,-2.635 -1.838,-2.75 -1.85,-2.75 -1.85,-3.4 -2.15,-3.4
  L1 region: -3.4,-1.85 -2.75,-1.838 -2.635,-1.885 -2.588,-2 -2.635,-2.115 -2.75,-2.162 -2.75,-2.15 -3.4,-2.15 -3.4,-1.85
  L1 region: -3.4,-1.35 -2.75,-1.338 -2.635,-1.385 -2.588,-1.5 -2.635,-1.615 -2.75,-1.662 -2.75,-1.65 -3.4,-1.65 -3.4,-1.35
  L1 region: -3.4,-0.85 -2.75,-0.838 -2.635,-0.885 -2.588,-1 -2.635,-1.115 -2.75,-1.162 -2.75,-1.15 -3.4,-1.15 -3.4,-0.85
  L1 region: -3.4,-0.35 -2.75,-0.338 -2.635,-0.385 -2.588,-0.5 -2.635,-0.615 -2.75,-0.662 -2.75,-0.65 -3.4,-0.65 -3.4,-0.35
  L1 region: -3.4,0.15 -2.75,0.162 -2.635,0.115 -2.588,0 -2.635,-0.115 -2.75,-0.162 -2.75,-0.15 -3.4,-0.15 -3.4,0.15
  L1 region: -3.4,0.65 -2.75,0.662 -2.635,0.615 -2.588,0.5 -2.635,0.385 -2.75,0.338 -2.75,0.35 -3.4,0.35 -3.4,0.65
  L1 region: -3.4,1.15 -2.75,1.162 -2.635,1.115 -2.588,1 -2.635,0.885 -2.75,0.838 -2.75,0.85 -3.4,0.85 -3.4,1.15
  L1 region: -3.4,1.65 -2.75,1.662 -2.635,1.615 -2.588,1.5 -2.635,1.385 -2.75,1.338 -2.75,1.35 -3.4,1.35 -3.4,1.65
  L1 region: -3.4,2.15 -2.75,2.162 -2.635,2.115 -2.588,2 -2.635,1.885 -2.75,1.838 -2.75,1.85 -3.4,1.85 -3.4,2.15
  silkscreen extent -3.05,-3.52 4.27,3.05
SMD_SOIC127P600X110-9AN [mm]
  oval 1.4x0.6 smd mask+0.075: 1(-2.8,1.905) 2(-2.8,0.635) 3(-2.8,-0.635) 4(-2.8,-1.905) 5(2.8,-1.905) 6(2.8,-0.635) 7(2.8,0.635) 8(2.8,1.905)
  L1 region: -1.35,2.7 -0.15,2.7 -0.15,2.2 2.4,2.2 2.4,-2.2 -0.15,-2.2 -0.15,-2.7 -1.35,-2.7 -1.35,2.7
  body extent -3.2,-2.45 3.2,2.45, height 1.1
SMD_SOIC127P600X175-8N [mm]
  oval 1.55x0.6 smd mask+0.075: 1(-2.7,1.905) 2(-2.7,0.635) 3(-2.7,-0.635) 4(-2.7,-1.905) 5(2.7,-1.905) 6(2.7,-0.635) 7(2.7,0.635) 8(2.7,1.905)
  silkscreen extent -3.5,-2.55 2.05,2.55, body extent -3,-2.5 3,2.5, height 1.75
SMD_SOIC127P600X175-14N [mm]
  oval 1.55x0.6 smd mask+0.075: 1(-2.7,3.81) 2(-2.7,2.54) 3(-2.7,1.27) 4(-2.7,0) 5(-2.7,-1.27) 6(-2.7,-2.54) 7(-2.7,-3.81) 8(2.7,-3.81) 9(2.7,-2.54) 10(2.7,-1.27) 11(2.7,0) 12(2.7,1.27) 13(2.7,2.54) 14(2.7,3.81)
  silkscreen extent -3.5,-4.45 2.05,4.45, body extent -3,-4.32 3,4.33, height 1.75
SMD_SOIC127P1030X265-20N [mm]
  oval 2x0.6 smd mask+0.075: 1(-4.65,5.715) 2(-4.65,4.445) 3(-4.65,3.175) 4(-4.65,1.905) 5(-4.65,0.635) 6(-4.65,-0.635) 7(-4.65,-1.905) 8(-4.65,-3.175) 9(-4.65,-4.445) 10(-4.65,-5.715) 11(4.65,-5.715) 12(4.65,-4.445) 13(4.65,-3.175) 14(4.65,-1.905) 15(4.65,-0.635) 16(4.65,0.635) 17(4.65,1.905) 18(4.65,3.175) 19(4.65,4.445) 20(4.65,5.715)
  silkscreen extent -5.65,-6.5 3.8,6.5, body extent -5.16,-6.4 5.16,6.4, height 2.65